# KiCad board Marble.kicad_pcb (continued)
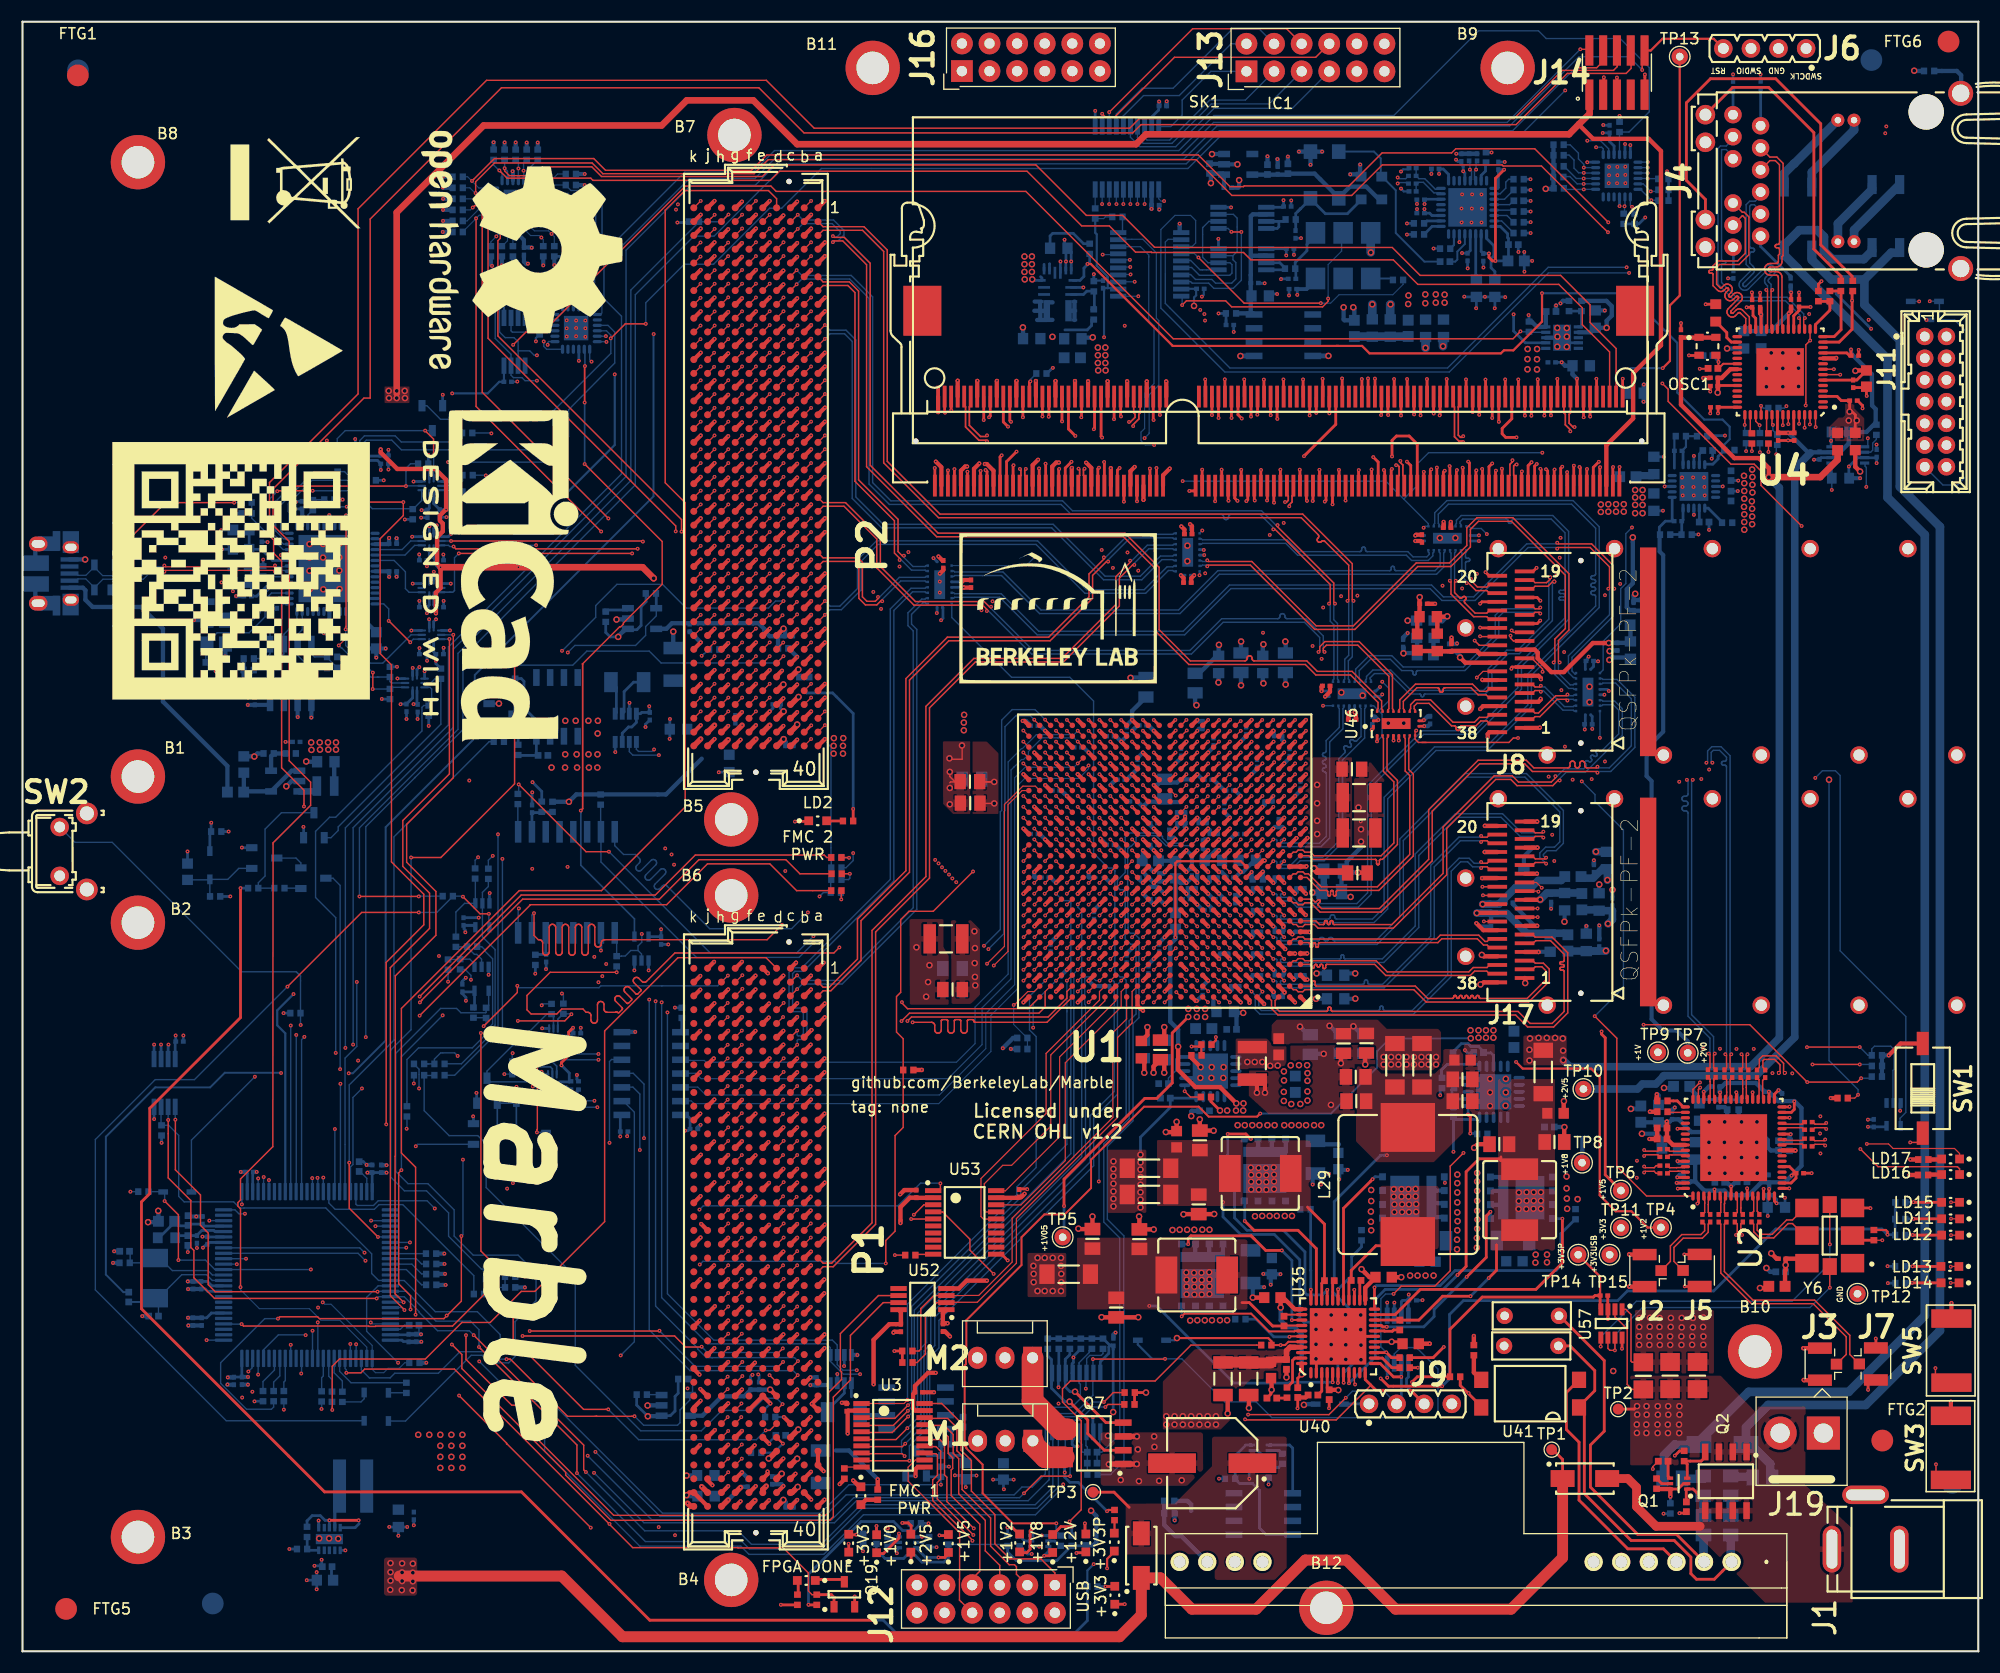
[diagram p0: board, top side]
## Routing (per net, layer and track width the routed paths; a pad name or vN(x,y) marks a point on that pad's centre or on a via; arc(x,y) is an arc through that point) (continued)
  In7.Cu w0.135: v1(111.15,85.74) 111.15,87.16 112.62,88.63 112.62,90.6 112.61,90.67 112.59,90.73 112.55,90.79 112.5,90.84 112.45,90.87 112.38,90.9 112.32,90.9 112.07,90.9 112,90.91 111.94,90.93 111.88,90.97 111.83,91.02 111.8,91.07 111.78,91.14 111.77,91.2 111.78,91.27 111.8,91.33 111.83,91.39 111.88,91.44 111.94,91.47 112,91.5 112.07,91.5 112.32,91.5 112.38,91.51 112.45,91.53 112.5,91.57 112.55,91.62 112.59,91.67 112.61,91.74 112.62,91.8 112.62,91.81 112.62,92.71 112.62,92.72 112.63,92.73 112.63,92.74 112.64,92.75 112.65,92.76 112.66,92.76 112.68,92.76 112.69,92.77 112.7,92.77 112.71,92.78 112.72,92.79 112.72,92.8 112.72,92.81 112.72,93.31 112.72,93.32 112.72,93.33 112.71,93.34 112.7,93.35 112.69,93.36 112.68,93.36 112.67,93.36 112.42,93.36 112.38,93.37 112.34,93.38 112.3,93.41 112.27,93.44 112.24,93.47 112.23,93.52 112.22,93.56 112.22,93.76 112.23,93.81 112.24,93.85 112.27,93.89 112.3,93.92 112.34,93.94 112.38,93.96 112.42,93.96 112.67,93.96 112.68,93.96 112.69,93.97 112.7,93.97 112.71,93.98 112.72,93.99 112.72,94 112.72,94.01 112.72,94.51 112.72,94.52 112.72,94.53 112.71,94.54 112.7,94.55 112.69,94.56 112.68,94.56 112.67,94.56 112.07,94.56 112.01,94.57 111.94,94.59 111.89,94.63 111.84,94.67 111.8,94.73 111.78,94.8 111.77,94.86 111.78,94.93 111.8,94.99 111.84,95.05 111.89,95.1 111.94,95.13 112.01,95.15 112.07,95.16 112.67,95.16 112.68,95.16 112.69,95.17 112.7,95.17 112.71,95.18 112.72,95.19 112.72,95.2 112.72,95.21 112.72,95.71 112.72,95.72 112.72,95.73 112.71,95.74 112.7,95.75 112.69,95.76 112.68,95.76 112.67,95.76 112.07,95.76 112.01,95.77 111.94,95.79 111.89,95.83 111.84,95.87 111.8,95.93 111.78,96 111.77,96.06 111.78,96.13 111.8,96.19 111.84,96.25 111.89,96.3 111.94,96.33 112.01,96.35 112.07,96.36 112.32,96.36 112.39,96.37 112.45,96.39 112.51,96.43 112.56,96.47 112.59,96.53 112.61,96.6 112.62,96.66 112.62,96.99 117.46,101.83 117.46,107.5 119.22,109.26 120.04,109.26 120.57,108.73 v1(120.57,105.58)
/FPGA/DDR3_CK_N: length 38.5
  Top w0.13: U1.AF12 v1(107.12,85.73)
  Top w0.15: SK1.103 116.97,106.47 116.84,106.34 116.84,105.79 116.59,105.54 v1(116.59,105.4)
  In4.Cu w0.1: v1(116.59,105.4) 116.4,105.4 115.89,104.89 114.94,104.89 113.3,103.24 113.3,103.11 113.29,103.04 113.27,102.97 113.23,102.91 113.18,102.86 113.12,102.82 113.05,102.8 112.97,102.79 112.81,102.79 112.8,102.79 112.79,102.78 112.77,102.78 112.77,102.77 112.76,102.76 112.76,102.75 112.75,102.73 112.75,102.53 112.76,102.52 112.76,102.51 112.77,102.5 112.77,102.49 112.79,102.49 112.8,102.48 112.81,102.48 113.97,102.48 114.07,102.47 114.16,102.44 114.24,102.39 114.3,102.32 114.35,102.24 114.38,102.15 114.39,102.06 114.39,102.01 114.38,101.92 114.35,101.83 114.3,101.75 114.24,101.68 114.16,101.63 114.07,101.6 113.97,101.59 112.81,101.59 112.8,101.59 112.79,101.58 112.77,101.58 112.77,101.57 112.76,101.56 112.76,101.55 112.75,101.53 112.75,101.33 112.76,101.32 112.76,101.31 112.77,101.3 112.77,101.29 112.79,101.29 112.8,101.28 112.81,101.28 112.97,101.28 113.05,101.27 113.12,101.25 113.18,101.21 113.23,101.16 113.27,101.1 113.29,101.03 113.3,100.95 113.3,99.84 112.86,99.4 112.81,99.36 112.74,99.33 112.67,99.31 112.6,99.31 112.53,99.33 112.47,99.36 112.41,99.4 112.29,99.52 112.28,99.53 112.27,99.53 112.26,99.53 112.25,99.53 112.24,99.53 112.23,99.53 112.22,99.52 112.07,99.37 112.07,99.36 112.06,99.35 112.06,99.34 112.06,99.33 112.06,99.32 112.07,99.31 112.07,99.3 112.31,99.06 112.31,99.06 112.55,98.82 112.59,98.77 112.62,98.71 112.63,98.65 112.63,98.58 112.62,98.51 112.59,98.46 112.55,98.4 112.33,98.19 112.28,98.15 112.22,98.12 112.16,98.11 112.09,98.11 112.03,98.12 111.97,98.15 111.92,98.19 111.44,98.67 111.43,98.67 111.42,98.68 111.41,98.68 111.4,98.68 111.39,98.68 111.38,98.67 111.37,98.67 111.22,98.52 111.21,98.51 111.21,98.5 111.21,98.49 111.21,98.48 111.21,98.47 111.21,98.46 111.22,98.45 111.7,97.97 111.74,97.92 111.77,97.86 111.78,97.8 111.78,97.73 111.77,97.67 111.74,97.61 111.7,97.55 111.49,97.34 111.43,97.3 111.37,97.27 111.31,97.26 111.24,97.26 111.18,97.27 111.12,97.3 111.07,97.34 110.59,97.82 110.58,97.83 110.57,97.83 110.56,97.83 110.55,97.83 110.54,97.83 110.53,97.83 110.52,97.82 110.37,97.67 110.37,97.66 110.36,97.65 110.36,97.64 110.36,97.63 110.36,97.62 110.37,97.61 110.37,97.6 110.85,97.13 110.89,97.07 110.92,97.01 110.93,96.95 110.93,96.88 110.92,96.82 110.89,96.76 110.85,96.71 110.64,96.5 110.59,96.45 110.53,96.43 110.46,96.41 110.39,96.41 110.33,96.43 110.27,96.45 110.22,96.5 109.74,96.97 109.74,96.98 109.73,96.98 109.71,96.98 109.7,96.98 109.69,96.98 109.68,96.98 109.67,96.97 109.52,96.82 109.52,96.81 109.51,96.8 109.51,96.79 109.51,96.78 109.51,96.77 109.52,96.76 109.52,96.75 110,96.28 110.04,96.22 110.07,96.16 110.08,96.1 110.08,96.03 110.07,95.97 110.04,95.91 110,95.86 109.79,95.65 109.74,95.61 109.68,95.58 109.61,95.56 109.55,95.56 109.48,95.58 109.42,95.61 109.37,95.65 109.25,95.76 109.25,95.77 109.23,95.77 109.22,95.77 109.22,95.76 106.76,93.3 106.76,85.51 106.86,85.41 107.07,85.41 107.12,85.46 v1(107.12,85.73)
/FPGA/DDR3_CK_P: length 39
  Top w0.11: 107.12,84.73 v1(107.15,84.76)
  Top w0.13: U1.AE12 107.12,84.73
  Top w0.15: v1(116.2,105.79) 116.34,105.79 116.49,105.94 116.49,106.34 116.37,106.47 SK1.101
  In4.Cu w0.1: v1(107.15,84.76) 107.15,85.07 107.1,85.12 106.74,85.12 106.47,85.39 106.47,93.42 109.03,95.98 109.08,96.02 109.14,96.05 109.2,96.07 109.27,96.07 109.34,96.05 109.4,96.02 109.45,95.98 109.56,95.87 109.57,95.86 109.58,95.86 109.59,95.86 109.6,95.87 109.78,96.05 109.79,96.06 109.79,96.07 109.79,96.08 109.78,96.08 109.31,96.56 109.26,96.62 109.23,96.68 109.21,96.75 109.21,96.82 109.23,96.89 109.26,96.96 109.31,97.01 109.48,97.19 109.54,97.23 109.6,97.27 109.67,97.28 109.74,97.28 109.81,97.27 109.88,97.23 109.93,97.19 110.41,96.71 110.42,96.71 110.43,96.71 110.44,96.71 110.45,96.71 110.63,96.9 110.64,96.91 110.64,96.92 110.63,96.93 110.63,96.93 110.15,97.41 110.11,97.46 110.08,97.53 110.06,97.6 110.06,97.67 110.08,97.74 110.11,97.8 110.15,97.86 110.33,98.04 110.39,98.08 110.45,98.11 110.52,98.13 110.59,98.13 110.66,98.11 110.73,98.08 110.78,98.04 111.26,97.56 111.27,97.56 111.28,97.56 111.29,97.56 111.29,97.56 111.48,97.75 111.48,97.76 111.49,97.77 111.48,97.78 111.48,97.78 111,98.26 110.96,98.31 110.93,98.38 110.91,98.45 110.91,98.52 110.93,98.59 110.96,98.65 111,98.71 111.18,98.89 111.24,98.93 111.3,98.96 111.37,98.98 111.44,98.98 111.51,98.96 111.58,98.93 111.63,98.89 112.11,98.41 112.12,98.4 112.13,98.4 112.14,98.41 112.14,98.41 112.33,98.6 112.33,98.6 112.33,98.62 112.33,98.63 112.33,98.63 112.1,98.85 112.11,98.86 111.86,99.11 111.81,99.17 111.78,99.23 111.76,99.3 111.76,99.37 111.78,99.44 111.81,99.51 111.86,99.56 112.03,99.74 112.09,99.78 112.15,99.81 112.22,99.83 112.29,99.83 112.36,99.81 112.43,99.78 112.48,99.74 112.6,99.62 112.61,99.62 112.62,99.61 112.63,99.61 112.64,99.61 112.65,99.61 112.66,99.62 112.67,99.62 113.01,99.96 113.01,100.93 113.01,100.95 113,100.96 113,100.97 112.99,100.98 112.98,100.98 112.97,100.99 112.95,100.99 112.79,100.99 112.72,101 112.65,101.02 112.59,101.06 112.54,101.11 112.5,101.17 112.47,101.24 112.46,101.31 112.46,101.55 112.47,101.63 112.5,101.7 112.54,101.76 112.59,101.81 112.65,101.85 112.72,101.87 112.79,101.88 113.95,101.88 113.98,101.88 114.02,101.89 114.05,101.91 114.07,101.94 114.09,101.97 114.1,102 114.1,102.03 114.1,102.07 114.09,102.1 114.07,102.13 114.05,102.16 114.02,102.17 113.98,102.19 113.95,102.19 112.79,102.19 112.72,102.2 112.65,102.22 112.59,102.26 112.54,102.31 112.5,102.37 112.47,102.44 112.46,102.51 112.46,102.75 112.47,102.83 112.5,102.9 112.54,102.96 112.59,103.01 112.65,103.05 112.72,103.07 112.79,103.08 112.95,103.08 112.97,103.08 112.98,103.09 112.99,103.09 113,103.1 113,103.11 113.01,103.12 113.01,103.13 113.01,103.37 114.82,105.18 115.77,105.18 116.2,105.6 v1(116.2,105.79)
/FPGA/DDR3_CKE: length 39
  Top w0.254: U1.AA13 v1(106.12,80.73) ; SK1.73 107.97,106.95 107.83,106.81 v1(107.39,106.81)
  In2.Cu w0.135: v1(106.12,80.73) 105.66,81.19 105.66,106.07 105.67,106.14 105.69,106.2 105.73,106.26 105.77,106.31 105.83,106.34 105.89,106.37 105.96,106.37 106.29,106.37 106.35,106.38 106.42,106.4 106.47,106.44 106.52,106.49 106.56,106.54 106.58,106.61 106.59,106.67 106.58,106.74 106.56,106.8 106.52,106.86 106.47,106.91 106.42,106.94 106.35,106.97 106.29,106.97 105.66,106.97 105.66,106.99 105.57,106.99 105.55,106.99 105.54,107 105.52,107.01 105.51,107.02 105.5,107.04 105.49,107.05 105.49,107.07 105.49,107.5 105.49,107.52 105.5,107.54 105.51,107.55 105.52,107.57 105.54,107.58 105.55,107.58 105.59,107.59 105.61,107.6 105.63,107.61 105.64,107.62 105.65,107.64 105.66,107.65 105.66,107.67 106.83,108.84 106.83,110.44 107.06,110.67 107.77,110.67 108,110.44 108,107.42 v1(107.39,106.81)
/FPGA/DDR3_CS_N: length 39
  Top w0.254: 111.62,82.23 v1(112.12,82.73) ; SK1.114 120.27,113.96 v1(120.28,113.95)
  In2.Cu w0.135: v1(112.12,82.73) 111.78,83.08 111.78,87.31 113.37,88.9 113.37,95.14 120.2,101.97 120.2,106 120.34,106.14 120.34,110.71 120.35,110.78 120.37,110.84 120.41,110.9 120.46,110.95 120.51,110.98 120.58,111 120.64,111.01 120.95,111.01 121.01,111.02 121.08,111.04 121.13,111.08 121.18,111.12 121.22,111.18 121.24,111.24 121.25,111.31 121.24,111.38 121.22,111.44 121.18,111.5 121.13,111.55 121.08,111.58 121.01,111.6 120.95,111.61 120.34,111.61 120.34,111.63 120.19,111.63 120.16,111.64 120.12,111.65 120.09,111.67 120.07,111.69 120.05,111.72 120.04,111.75 120.04,111.79 120.04,112.08 120.04,112.11 120.05,112.15 120.07,112.18 120.09,112.2 120.12,112.22 120.16,112.23 120.22,112.24 120.26,112.25 120.28,112.27 120.31,112.29 120.33,112.32 120.34,112.35 120.34,112.39 120.34,112.94 120.28,113.01 v1(120.28,113.95)
/FPGA/DDR3_DQS0_N: length 46.7
  Top w0.13: U1.AF18 v1(100.12,85.73)
  Top w0.15: v1(88.77,111.37) 88.67,111.47 88.02,111.47 86.79,112.71 86.79,114.54 86.67,114.67 SK1.10
  In7.Cu w0.1: v1(100.12,85.73) 100.12,87.02 100.12,87.04 100.13,87.05 100.14,87.07 100.15,87.08 100.17,87.09 100.18,87.1 100.2,87.1 100.37,87.1 100.44,87.11 100.52,87.13 100.58,87.18 100.64,87.23 100.68,87.3 100.71,87.37 100.72,87.45 100.72,87.69 100.71,87.77 100.68,87.84 100.64,87.91 100.58,87.96 100.52,88.01 100.44,88.03 100.37,88.04 99.68,88.04 99.67,88.04 99.67,88.39 99.68,88.4 100.37,88.4 100.44,88.41 100.52,88.43 100.58,88.48 100.64,88.53 100.68,88.6 100.71,88.67 100.72,88.75 100.72,88.99 100.71,89.07 100.68,89.14 100.64,89.21 100.58,89.26 100.52,89.31 100.44,89.33 100.37,89.34 99.68,89.34 99.67,89.34 99.67,89.69 99.68,89.7 100.37,89.7 100.44,89.71 100.52,89.73 100.58,89.78 100.64,89.83 100.68,89.9 100.71,89.97 100.72,90.05 100.72,90.29 100.71,90.37 100.68,90.44 100.64,90.51 100.58,90.56 100.52,90.61 100.44,90.63 100.37,90.64 99.68,90.64 99.67,90.64 99.67,90.99 99.68,91 100.37,91 100.44,91.01 100.52,91.03 100.58,91.08 100.64,91.13 100.68,91.2 100.71,91.27 100.72,91.35 100.72,91.59 100.71,91.67 100.68,91.74 100.64,91.81 100.58,91.86 100.52,91.91 100.44,91.93 100.37,91.94 99.68,91.94 99.67,91.94 99.67,92.29 99.68,92.3 99.84,92.3 99.9,92.31 99.96,92.33 100.02,92.36 100.06,92.4 100.09,92.46 100.11,92.52 100.12,92.58 100.12,93.49 100.12,93.51 100.13,93.54 100.15,93.57 100.17,93.58 100.19,93.6 100.22,93.61 100.25,93.61 100.41,93.61 100.44,93.62 100.47,93.62 100.49,93.64 100.51,93.66 100.53,93.68 100.53,93.71 100.54,93.74 100.53,93.76 100.53,93.79 100.51,93.82 100.49,93.83 100.47,93.85 100.44,93.86 100.41,93.86 100.25,93.86 100.22,93.87 100.19,93.87 100.17,93.89 100.15,93.91 100.13,93.93 100.12,93.96 100.12,93.99 100.12,94.01 100.13,94.04 100.15,94.07 100.17,94.08 100.19,94.1 100.22,94.11 100.25,94.11 100.31,94.11 100.34,94.12 100.37,94.12 100.39,94.14 100.41,94.16 100.43,94.18 100.43,94.21 100.44,94.24 100.43,94.26 100.43,94.29 100.41,94.32 100.39,94.33 100.37,94.35 100.34,94.36 100.31,94.36 100.25,94.36 100.22,94.37 100.19,94.37 100.17,94.39 100.15,94.41 100.13,94.43 100.12,94.46 100.12,94.49 100.12,94.87 86.51,108.47 86.51,109.65 88.37,111.5 88.64,111.5 v1(88.77,111.37)
/FPGA/DDR3_DQS0_P: length 46.7
  Top w0.13: U1.AE18 v1(100.12,84.73)
  Top w0.15: v1(88.77,111.92) 88.67,111.82 88.17,111.82 87.14,112.85 87.14,114.54 87.27,114.67 SK1.12
  In7.Cu w0.1: v1(88.77,111.92) 88.64,111.79 88.25,111.79 86.22,109.77 86.22,108.35 99.83,94.75 99.83,92.59 99.83,92.59 99.66,92.59 99.6,92.58 99.54,92.56 99.49,92.53 99.45,92.48 99.41,92.43 99.39,92.37 99.38,92.31 99.38,91.93 99.39,91.87 99.41,91.81 99.45,91.75 99.49,91.71 99.54,91.68 99.6,91.66 99.66,91.65 100.34,91.65 100.36,91.65 100.38,91.64 100.39,91.63 100.41,91.62 100.42,91.6 100.42,91.59 100.42,91.57 100.42,91.37 100.42,91.35 100.42,91.33 100.41,91.32 100.39,91.31 100.38,91.3 100.36,91.29 100.34,91.29 99.66,91.29 99.6,91.28 99.54,91.26 99.49,91.23 99.45,91.18 99.41,91.13 99.39,91.07 99.38,91.01 99.38,90.63 99.39,90.57 99.41,90.51 99.45,90.45 99.49,90.41 99.54,90.38 99.6,90.36 99.66,90.35 100.34,90.35 100.36,90.35 100.38,90.34 100.39,90.33 100.41,90.32 100.42,90.3 100.42,90.29 100.42,90.27 100.42,90.07 100.42,90.05 100.42,90.03 100.41,90.02 100.39,90.01 100.38,90 100.36,89.99 100.34,89.99 99.66,89.99 99.6,89.98 99.54,89.96 99.49,89.93 99.45,89.88 99.41,89.83 99.39,89.77 99.38,89.71 99.38,89.33 99.39,89.27 99.41,89.21 99.45,89.15 99.49,89.11 99.54,89.08 99.6,89.06 99.66,89.05 100.34,89.05 100.36,89.05 100.38,89.04 100.39,89.03 100.41,89.02 100.42,89 100.42,88.99 100.42,88.97 100.42,88.77 100.42,88.75 100.42,88.73 100.41,88.72 100.39,88.71 100.38,88.7 100.36,88.69 100.34,88.69 99.66,88.69 99.6,88.68 99.54,88.66 99.49,88.63 99.45,88.58 99.41,88.53 99.39,88.47 99.38,88.41 99.38,88.03 99.39,87.97 99.41,87.91 99.45,87.85 99.49,87.81 99.54,87.78 99.6,87.76 99.66,87.75 100.34,87.75 100.36,87.75 100.38,87.74 100.39,87.73 100.41,87.72 100.42,87.7 100.42,87.69 100.42,87.67 100.42,87.47 100.42,87.45 100.42,87.43 100.41,87.42 100.39,87.41 100.38,87.4 100.36,87.39 100.34,87.39 100.18,87.39 100.1,87.38 100.03,87.36 99.96,87.31 99.91,87.26 99.86,87.19 99.84,87.12 99.83,87.04 99.83,85.92 99.79,85.89 99.79,85.57 99.83,85.54 99.83,85.02 v1(100.12,84.73)
/FPGA/DDR3_DQS1_N: length 44.3
  Top w0.11: U1.W19 v1(99.12,78.73)
  Top w0.15: v1(91.79,108.83) 91.89,108.73 91.89,108.24 91.77,108.12 SK1.27
  In9.Cu w0.1: v1(99.12,78.73) 99.47,79.09 99.47,90.07 91.92,97.62 91.92,103.66 91.93,103.76 91.96,103.84 92.01,103.92 92.08,103.99 92.16,104.04 92.25,104.07 92.34,104.08 92.85,104.08 92.89,104.09 92.92,104.1 92.95,104.12 92.97,104.14 92.99,104.17 93,104.2 93.01,104.24 93,104.27 92.99,104.3 92.97,104.33 92.95,104.36 92.92,104.38 92.89,104.39 92.85,104.39 91.68,104.39 91.61,104.4 91.53,104.43 91.47,104.47 91.41,104.52 91.37,104.59 91.35,104.66 91.34,104.74 91.34,104.94 91.35,105.01 91.37,105.09 91.41,105.15 91.47,105.21 91.53,105.25 91.61,105.27 91.68,105.28 92.85,105.28 92.89,105.29 92.92,105.3 92.95,105.32 92.97,105.34 92.99,105.37 93,105.4 93.01,105.44 93,105.47 92.99,105.5 92.97,105.53 92.95,105.56 92.92,105.58 92.89,105.59 92.85,105.59 91.68,105.59 91.61,105.6 91.53,105.63 91.47,105.67 91.41,105.72 91.37,105.79 91.35,105.86 91.34,105.94 91.34,106.14 91.35,106.21 91.37,106.29 91.41,106.35 91.47,106.41 91.53,106.45 91.61,106.47 91.68,106.48 92.85,106.48 92.89,106.49 92.92,106.5 92.95,106.52 92.97,106.54 92.99,106.57 93,106.6 93.01,106.64 93,106.67 92.99,106.7 92.97,106.73 92.95,106.76 92.92,106.78 92.89,106.79 92.85,106.79 92.07,106.79 92.07,106.8 91.68,106.8 91.61,106.81 91.53,106.83 91.47,106.87 91.41,106.93 91.37,106.99 91.35,107.06 91.34,107.14 91.34,107.34 91.35,107.42 91.37,107.49 91.41,107.56 91.47,107.61 91.53,107.65 91.61,107.68 91.68,107.69 91.85,107.69 91.86,107.69 91.88,107.69 91.89,107.7 91.91,107.72 91.92,107.73 91.92,107.74 91.92,107.76 91.92,108.7 v1(91.79,108.83)
/FPGA/DDR3_DQS1_P: length 44.3
  Top w0.11: U1.W18 v1(100.12,78.73)
  Top w0.15: SK1.29 92.37,108.12 92.24,108.24 92.24,108.73 v1(92.34,108.83)
  In9.Cu w0.1: v1(92.34,108.83) 92.21,108.7 92.21,107.74 92.2,107.66 92.18,107.59 92.14,107.53 92.08,107.47 92.02,107.43 91.95,107.41 91.87,107.4 91.7,107.4 91.69,107.4 91.67,107.39 91.66,107.38 91.65,107.37 91.64,107.35 91.63,107.34 91.63,107.32 91.63,107.16 91.63,107.14 91.64,107.13 91.65,107.12 91.66,107.1 91.67,107.09 91.69,107.09 91.7,107.09 92.07,107.09 92.07,107.08 92.88,107.08 92.97,107.07 93.06,107.04 93.14,106.99 93.21,106.92 93.26,106.84 93.29,106.76 93.3,106.66 93.3,106.61 93.29,106.52 93.26,106.43 93.21,106.35 93.14,106.28 93.06,106.23 92.97,106.2 92.88,106.19 91.7,106.19 91.69,106.19 91.67,106.18 91.66,106.18 91.65,106.16 91.64,106.15 91.63,106.13 91.63,106.12 91.63,105.96 91.63,105.94 91.64,105.92 91.65,105.91 91.66,105.9 91.67,105.89 91.69,105.88 91.7,105.88 92.88,105.88 92.97,105.87 93.06,105.84 93.14,105.79 93.21,105.72 93.26,105.64 93.29,105.56 93.3,105.46 93.3,105.41 93.29,105.32 93.26,105.23 93.21,105.15 93.14,105.08 93.06,105.03 92.97,105 92.88,104.99 91.7,104.99 91.69,104.99 91.67,104.98 91.66,104.98 91.65,104.96 91.64,104.95 91.63,104.93 91.63,104.92 91.63,104.76 91.63,104.74 91.64,104.72 91.65,104.71 91.66,104.7 91.67,104.69 91.69,104.68 91.7,104.68 92.88,104.68 92.97,104.67 93.06,104.64 93.14,104.59 93.21,104.52 93.26,104.44 93.29,104.36 93.3,104.26 93.3,104.21 93.29,104.12 93.26,104.03 93.21,103.95 93.14,103.88 93.06,103.83 92.97,103.8 92.88,103.79 92.37,103.79 92.33,103.79 92.3,103.78 92.27,103.76 92.25,103.73 92.23,103.7 92.22,103.67 92.21,103.64 92.21,97.74 99.76,90.19 99.76,79.09 v1(100.12,78.73)
/FPGA/DDR3_DQS2_N: length 38.4
  Top w0.13: U1.AE20 v1(98.12,84.73)
  Top w0.15: v1(97.19,108.85) 97.29,108.75 97.29,108.24 97.17,108.12 SK1.45
  In4.Cu w0.1: v1(97.19,108.85) 97.32,108.72 97.32,105.56 96.75,104.99 96.75,100.54 96.75,100.51 96.74,100.47 96.72,100.44 96.69,100.42 96.67,100.4 96.63,100.39 96.6,100.39 96.08,100.39 95.98,100.37 95.9,100.34 95.82,100.29 95.75,100.23 95.7,100.15 95.67,100.06 95.66,99.97 95.66,99.91 95.67,99.82 95.7,99.73 95.75,99.65 95.82,99.59 95.9,99.54 95.98,99.51 96.08,99.5 97.19,99.5 97.2,99.49 97.2,99.19 97.19,99.19 96.08,99.19 95.98,99.17 95.9,99.14 95.82,99.09 95.75,99.03 95.7,98.95 95.67,98.86 95.66,98.77 95.66,98.71 95.67,98.62 95.7,98.53 95.75,98.45 95.82,98.39 95.9,98.34 95.98,98.31 96.08,98.3 97.39,98.3 97.43,98.29 97.46,98.28 97.49,98.26 97.51,98.24 97.53,98.21 97.54,98.17 97.55,98.14 97.54,98.11 97.53,98.07 97.51,98.04 97.49,98.02 97.46,98 97.43,97.99 97.39,97.99 96.08,97.99 95.98,97.97 95.9,97.94 95.82,97.89 95.75,97.83 95.7,97.75 95.67,97.66 95.66,97.57 95.66,97.51 95.67,97.42 95.7,97.33 95.75,97.25 95.82,97.19 95.9,97.14 95.98,97.11 96.08,97.1 97.69,97.1 97.73,97.09 97.76,97.08 97.79,97.06 97.81,97.04 97.83,97.01 97.84,96.97 97.85,96.94 97.84,96.91 97.83,96.87 97.81,96.84 97.79,96.82 97.76,96.8 97.73,96.79 97.69,96.79 97.17,96.79 97.08,96.77 96.99,96.74 96.91,96.69 96.84,96.63 96.79,96.55 96.76,96.46 96.75,96.37 96.75,95.85 98.48,94.13 98.48,88.51 98.48,88.48 98.46,88.44 98.44,88.41 98.42,88.38 98.38,88.36 98.35,88.35 98.27,88.34 98.24,88.33 98.2,88.31 98.18,88.28 98.16,88.25 98.14,88.21 98.14,88.17 98.14,88.16 98.14,88.13 98.16,88.09 98.18,88.06 98.2,88.03 98.24,88.01 98.27,88 98.35,87.99 98.38,87.98 98.42,87.96 98.44,87.93 98.46,87.9 98.48,87.86 98.48,87.82 98.48,87.81 98.48,87.78 98.46,87.74 98.44,87.71 98.42,87.68 98.38,87.66 98.35,87.65 98.27,87.64 98.24,87.63 98.2,87.61 98.18,87.58 98.16,87.55 98.14,87.51 98.14,87.47 98.14,87.46 98.14,87.43 98.16,87.39 98.18,87.36 98.2,87.33 98.24,87.31 98.27,87.3 98.35,87.29 98.38,87.28 98.42,87.26 98.44,87.23 98.46,87.2 98.48,87.16 98.48,87.12 98.48,87.11 98.48,87.08 98.46,87.04 98.44,87.01 98.42,86.98 98.38,86.96 98.35,86.95 98.27,86.94 98.24,86.93 98.2,86.91 98.18,86.88 98.16,86.85 98.14,86.81 98.14,86.77 98.14,86.76 98.14,86.73 98.16,86.69 98.18,86.66 98.2,86.63 98.24,86.61 98.27,86.6 98.35,86.59 98.38,86.58 98.42,86.56 98.44,86.53 98.46,86.5 98.48,86.46 98.48,86.42 98.48,85.55 98.12,85.19 v1(98.12,84.73)
/FPGA/DDR3_DQS2_P: length 38.4
  Top w0.13: U1.AD20 v1(98.12,83.73)
  Top w0.15: v1(97.74,108.85) 97.64,108.75 97.64,108.24 97.77,108.12 SK1.47
  In4.Cu w0.1: v1(97.74,108.85) 97.61,108.72 97.61,105.44 97.04,104.87 97.04,100.51 97.03,100.42 97,100.33 96.95,100.25 96.89,100.19 96.81,100.14 96.72,100.11 96.62,100.1 96.1,100.1 96.07,100.09 96.04,100.08 96.01,100.06 95.98,100.04 95.96,100.01 95.95,99.97 95.95,99.94 95.95,99.91 95.96,99.87 95.98,99.84 96.01,99.82 96.04,99.8 96.07,99.79 96.1,99.79 97.21,99.79 97.27,99.78 97.33,99.76 97.38,99.72 97.43,99.68 97.46,99.63 97.48,99.57 97.49,99.51 97.49,99.17 97.48,99.11 97.46,99.05 97.43,99 97.38,98.96 97.33,98.92 97.27,98.9 97.21,98.9 96.1,98.9 96.07,98.89 96.04,98.88 96.01,98.86 95.98,98.84 95.96,98.81 95.95,98.77 95.95,98.74 95.95,98.71 95.96,98.67 95.98,98.64 96.01,98.62 96.04,98.6 96.07,98.59 96.1,98.59 97.42,98.59 97.51,98.57 97.6,98.54 97.68,98.49 97.75,98.43 97.8,98.35 97.83,98.26 97.84,98.17 97.84,98.11 97.83,98.02 97.8,97.93 97.75,97.85 97.68,97.79 97.6,97.74 97.51,97.71 97.42,97.7 96.1,97.7 96.07,97.69 96.04,97.68 96.01,97.66 95.98,97.64 95.96,97.61 95.95,97.57 95.95,97.54 95.95,97.51 95.96,97.47 95.98,97.44 96.01,97.42 96.04,97.4 96.07,97.39 96.1,97.39 97.72,97.39 97.81,97.37 97.9,97.34 97.98,97.29 98.05,97.23 98.1,97.15 98.13,97.06 98.14,96.97 98.14,96.91 98.13,96.82 98.1,96.73 98.05,96.65 97.98,96.59 97.9,96.54 97.81,96.51 97.72,96.5 97.2,96.5 97.16,96.49 97.13,96.48 97.1,96.46 97.08,96.44 97.06,96.41 97.05,96.37 97.04,96.34 97.04,95.97 98.77,94.25 98.77,85.43 98.41,85.07 98.41,84.92 98.45,84.89 98.45,84.57 98.41,84.54 98.41,84.02 v1(98.12,83.73)
/FPGA/DDR3_DQS3_N: length 40
  Top w0.13: U1.Y16 v1(102.12,79.73)
  Top w0.15: v1(101.84,113.16) 101.97,113.16 102.39,113.58 102.39,113.87 102.27,113.99 SK1.62 102.27,114.67 102.39,114.54
  In2.Cu w0.1: v1(102.12,79.73) 102.47,80.09 102.47,96.93 100.79,98.61 100.79,103.73 101.71,104.65 101.71,110.92 101.7,110.95 101.69,110.98 101.68,111.01 101.66,111.03 101.63,111.04 101.61,111.05 101.58,111.05 101.41,111.05 101.32,111.06 101.24,111.09 101.16,111.14 101.1,111.2 101.05,111.28 101.02,111.36 101.01,111.45 101.01,111.55 101.02,111.64 101.05,111.72 101.1,111.8 101.16,111.86 101.24,111.9 101.32,111.93 101.41,111.94 101.58,111.94 101.61,111.95 101.63,111.96 101.66,111.97 101.68,111.99 101.69,112.02 101.7,112.04 101.71,112.07 101.71,112.78 101.84,112.91 v1(101.84,113.16)
/FPGA/DDR3_DQS3_P: length 40
  Top w0.13: U1.Y15 v1(103.12,79.73)
  Top w0.15: v1(102.22,112.78) 102.22,112.91 102.74,113.44 102.74,113.87 102.87,113.99 SK1.64 102.87,114.67 102.74,114.54
  In2.Cu w0.1: v1(102.22,112.78) 102,112.56 102,112.05 101.99,111.96 101.96,111.88 101.91,111.8 101.85,111.74 101.77,111.69 101.69,111.66 101.6,111.65 101.43,111.65 101.4,111.65 101.38,111.64 101.35,111.63 101.33,111.61 101.32,111.58 101.31,111.55 101.3,111.52 101.3,111.47 101.31,111.44 101.32,111.42 101.33,111.39 101.35,111.37 101.38,111.36 101.4,111.35 101.43,111.34 101.6,111.34 101.69,111.33 101.77,111.3 101.85,111.26 101.91,111.2 101.96,111.12 101.99,111.04 102,110.95 102,104.53 101.08,103.61 101.08,98.73 102.76,97.05 102.76,80.09 v1(103.12,79.73)
/FPGA/DDR3_DQS4_N: length 43.6
  Top w0.15: v1(126.42,109.18) 126.56,109.18 126.69,109.05 126.69,108.24 126.57,108.12 SK1.135
  Top w0.2: U1.AB5 v1(114.12,81.73)
  In4.Cu w0.1: 126.7,106.58 126.79,106.67 126.79,109 126.61,109.18 v1(126.42,109.18)
  In4.Cu w0.13: 126.7,106.58 126.55,106.43 126.54,106.42 126.52,106.41 126.5,106.41 126.49,106.41 126.47,106.41 126.45,106.42 126.44,106.43 126.31,106.56 126.24,106.61 126.16,106.65 126.08,106.67 125.99,106.67 125.91,106.65 125.83,106.61 125.77,106.56 125.58,106.38 125.53,106.31 125.49,106.23 125.47,106.15 125.47,106.06 125.49,105.98 125.53,105.9 125.58,105.84 125.89,105.53 125.88,105.53 126.13,105.28 126.14,105.27 126.14,105.27 126.14,105.26 126.14,105.25 126.14,105.24 126.14,105.24 126.13,105.23 125.91,105.01 125.9,105.01 125.9,105 125.89,105 125.88,105 125.88,105 125.87,105.01 125.87,105.01 125.31,105.57 125.24,105.62 125.17,105.66 125.08,105.67 125,105.67 124.92,105.66 124.84,105.62 124.77,105.57 124.59,105.38 124.53,105.31 124.5,105.24 124.48,105.15 124.48,105.07 124.5,104.99 124.53,104.91 124.59,104.84 125.14,104.29 125.15,104.28 125.15,104.28 125.15,104.27 125.15,104.26 125.15,104.25 125.15,104.25 125.14,104.24 124.92,104.02 124.91,104.02 124.91,104.01 124.9,104.01 124.89,104.01 124.89,104.01 124.88,104.02 124.88,104.02 124.32,104.58 124.25,104.63 124.18,104.67 124.09,104.68 124.01,104.68 123.93,104.67 123.85,104.63 123.78,104.58 123.6,104.39 123.54,104.32 123.51,104.25 123.49,104.16 123.49,104.08 123.51,104 123.54,103.92 123.6,103.85 124.15,103.3 124.16,103.29 124.16,103.29 124.16,103.28 124.16,103.27 124.16,103.27 124.16,103.26 124.15,103.25 123.93,103.03 123.92,103.03 123.92,103.02 123.91,103.02 123.9,103.02 123.9,103.02 123.89,103.03 123.89,103.03 123.33,103.59 123.26,103.64 123.19,103.68 123.1,103.69 123.02,103.69 122.94,103.68 122.86,103.64 122.79,103.59 122.61,103.4 122.55,103.33 122.52,103.26 122.5,103.17 122.5,103.09 122.52,103.01 122.55,102.93 122.61,102.86 122.74,102.73 122.75,102.72 122.76,102.7 122.76,102.68 122.76,102.66 122.76,102.65 122.75,102.63 122.74,102.62 116.81,96.69 116.81,88.69 114.44,86.32 114.44,81.47 114.37,81.4 114.21,81.4 114.12,81.49 v1(114.12,81.73)
